# KiCad board CXD-ROUTER-v1.1.0.kicad_pcb (continued)
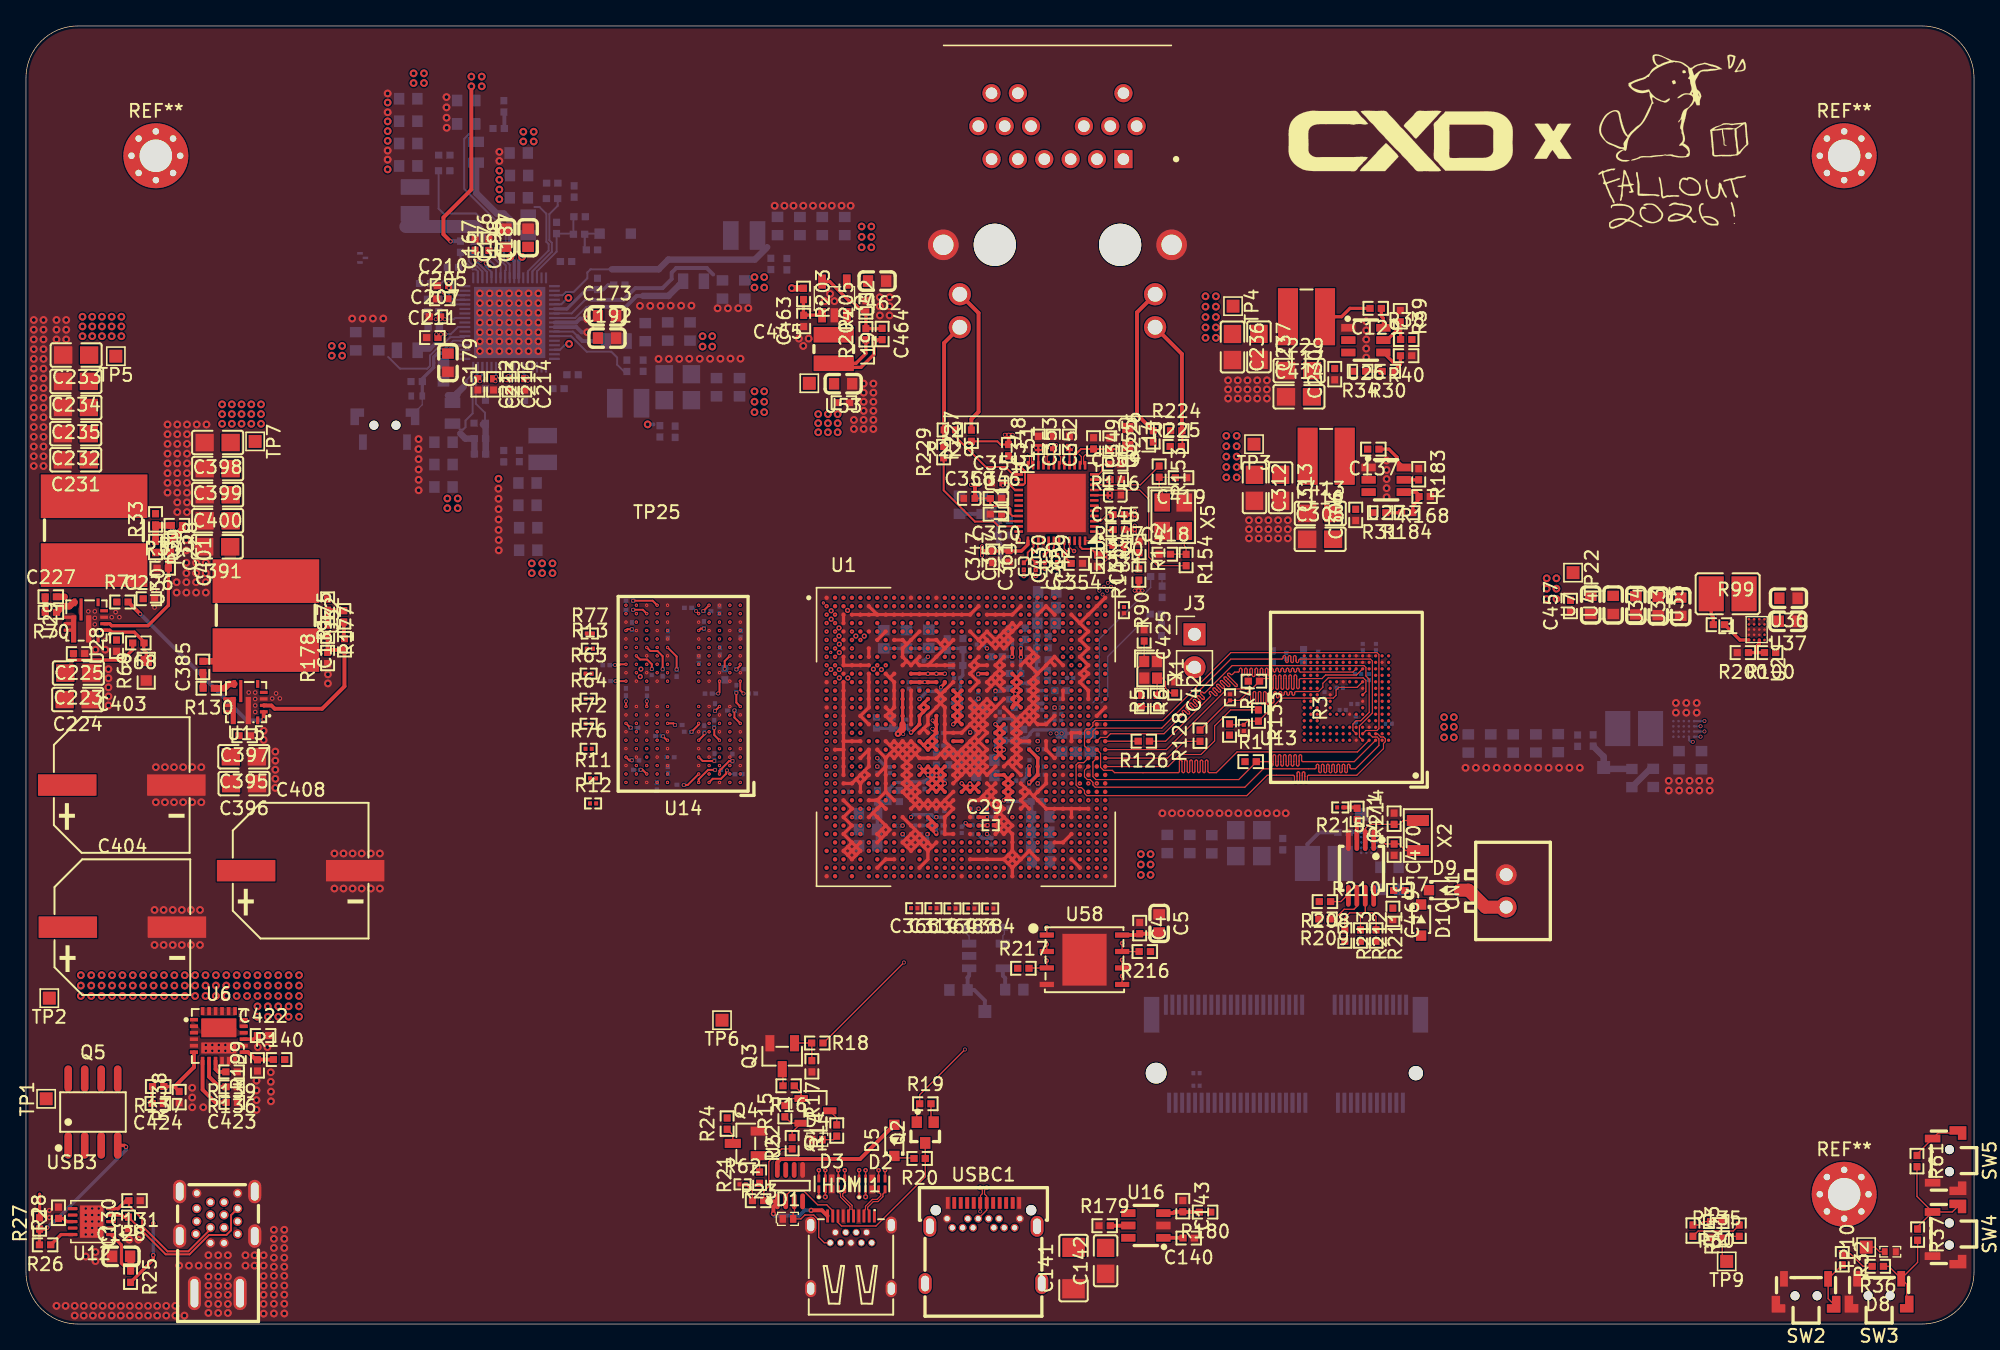
[diagram p0: board, top side]
## Routing (per net, layer and track width the routed paths; a pad name or vN(x,y) marks a point on that pad's centre or on a via; arc(x,y) is an arc through that point) (continued)
DDR_CH0_DQ0_B: length 32
  In1.Cu w0.09: v2(54.2,54.73) v7(53.9,55.03)
  In2.Cu w0.09: v2(61.65,51.4) v11(61.3,51.4)
  In2.Cu w0.131: v11(61.3,51.4) 60.27,51.4 59.09,52.59 arc(59.02,52.62) 58.94,52.59 58.88,52.52 arc(58.8,52.49) 58.73,52.52 arc(58.7,52.6) 58.73,52.67 58.79,52.73 arc(58.82,52.81) 58.79,52.88 arc(58.72,52.91) 58.64,52.88 58.26,52.5 arc(58.19,52.47) 58.11,52.5 arc(58.08,52.58) 58.11,52.65 58.49,53.03 arc(58.52,53.11) 58.49,53.18 arc(58.42,53.21) 58.35,53.18 58,52.83 arc(57.92,52.8) 57.85,52.83 arc(57.82,52.91) 57.85,52.98 58.2,53.33 arc(58.23,53.4) 58.2,53.48 arc(58.12,53.51) 58.05,53.48 58.02,53.45 arc(57.95,53.42) 57.87,53.45 arc(57.84,53.53) 57.87,53.6 57.9,53.63 arc(57.93,53.7) 57.9,53.78 57.89,53.78 arc(57.82,53.81) 57.75,53.78 arc(57.68,53.75) 57.61,53.78 57.6,53.79 arc(57.57,53.86) 57.6,53.93 arc(57.63,54) 57.6,54.07 57.59,54.08 arc(57.52,54.11) 57.45,54.08 arc(57.38,54.05) 57.31,54.08 57.3,54.09 arc(57.27,54.16) 57.3,54.23 arc(57.33,54.3) 57.3,54.37 arc(57.23,54.4) 57.15,54.37 56.95,54.17 arc(56.87,54.14) 56.8,54.17 arc(56.77,54.24) 56.8,54.32 57,54.52 arc(57.04,54.6) 57,54.67 arc(56.93,54.7) 56.86,54.67 56.37,54.18 arc(56.29,54.15) 56.22,54.18 arc(56.19,54.26) 56.22,54.33 56.71,54.82 arc(56.74,54.89) 56.71,54.97 arc(56.63,55) 56.56,54.97 56.28,54.69 arc(56.21,54.66) 56.13,54.69 arc(56.1,54.77) 56.13,54.84 56.41,55.12 arc(56.44,55.19) 56.41,55.27 56.22,55.45 56.07,55.45 arc(55.99,55.48) 55.96,55.56 55.96,55.64 arc(55.93,55.72) 55.86,55.75 arc(55.78,55.72) 55.75,55.64 55.75,54.26 arc(55.72,54.18) 55.65,54.15 arc(55.57,54.18) 55.54,54.26 55.54,55.64 arc(55.51,55.72) 55.44,55.75 arc(55.36,55.72) 55.33,55.64 55.33,54.26 arc(55.3,54.18) 55.23,54.15 arc(55.15,54.18) 55.12,54.26 55.12,55.64 arc(55.09,55.72) 55.02,55.75 arc(54.94,55.72) 54.91,55.64 54.91,54.26 arc(54.88,54.18) 54.8,54.15 arc(54.73,54.18) 54.7,54.26 54.7,55.64 arc(54.67,55.72) 54.59,55.75 arc(54.52,55.72) 54.49,55.64 54.49,54.36 arc(54.46,54.28) 54.38,54.25 arc(54.31,54.28) 54.28,54.36 54.28,55.34 arc(54.25,55.42) 54.17,55.45 53.57,55.45 53.5,55.38 53.5,55.38 53.2,55.08 53.2,54.73 53.3,54.62 53.3,54.23 53.4,54.12 53.45,54.12 53.55,54.23 53.55,54.68 v7(53.9,55.03) 53.9,54.88
DDR_CH0_DQ1_A: length 15.8
  In1.Cu w0.09: v2(62.3,46.2) v7(62.02,45.92)
  In1.Cu w0.1: v2(54.2,43.03) v7(54.52,42.71)
  In2.Cu w0.131: v7(54.52,42.71) 54.52,42.72 54.75,42.95 arc(54.82,42.98) 54.9,42.95 54.91,42.93 arc(54.99,42.9) 55.06,42.93 arc(55.09,43.01) 55.06,43.08 54.71,43.44 arc(54.68,43.51) 54.71,43.59 arc(54.78,43.62) 54.86,43.59 55.05,43.4 arc(55.12,43.37) 55.2,43.4 arc(55.23,43.47) 55.2,43.55 55,43.74 arc(54.97,43.81) 55,43.89 arc(55.08,43.92) 55.15,43.89 55.35,43.69 arc(55.42,43.66) 55.49,43.69 arc(55.53,43.77) 55.49,43.84 55.34,44 arc(55.31,44.08) 55.34,44.15 arc(55.41,44.18) 55.49,44.15 55.64,43.99 arc(55.72,43.96) 55.79,43.99 arc(55.82,44.07) 55.79,44.14 55.64,44.3 arc(55.6,44.37) 55.64,44.45 arc(55.71,44.48) 55.78,44.45 55.94,44.29 arc(56.02,44.26) 56.09,44.29 arc(56.12,44.36) 56.09,44.44 55.93,44.6 arc(55.9,44.67) 55.93,44.75 arc(56.01,44.78) 56.08,44.75 56.24,44.59 arc(56.31,44.56) 56.39,44.59 arc(56.42,44.66) 56.39,44.74 56.23,44.89 arc(56.2,44.97) 56.23,45.04 arc(56.31,45.07) 56.38,45.04 56.54,44.89 arc(56.61,44.86) 56.69,44.89 arc(56.72,44.96) 56.69,45.03 56.53,45.19 arc(56.5,45.27) 56.53,45.34 arc(56.6,45.37) 56.68,45.34 56.83,45.18 arc(56.91,45.15) 56.98,45.18 arc(57.01,45.26) 56.98,45.33 56.79,45.53 arc(56.76,45.6) 56.79,45.67 arc(56.87,45.71) 56.94,45.67 57.13,45.48 arc(57.21,45.45) 57.28,45.48 57.67,45.88 61.97,45.88 v7(62.02,45.92)
DDR_CH0_DQ1_B: length 32.7
  In1.Cu w0.09: v2(54.2,54.08) v7(53.9,54.38) ; v2(62.3,50.75) 62.6,50.45
  In2.Cu w0.131: v7(53.9,54.38) 54.35,53.93 57.17,53.93 57.6,53.49 57.6,52.45 57.8,52.25 58.95,52.25 60.12,51.08 63.08,51.08 63.15,51.15 67.9,51.15 68.1,50.95 68.1,50.6 67.85,50.35 67.73,50.35 arc(67.65,50.32) 67.62,50.24 67.62,45.77 arc(67.59,45.69) 67.52,45.66 arc(67.44,45.69) 67.41,45.77 67.41,50.24 arc(67.38,50.32) 67.31,50.35 66.55,50.35 66.03,50.87 63.07,50.87 v4(62.63,50.42)
DDR_CH0_DQ2_A: length 15.8
  In1.Cu w0.09: v2(61.65,46.2) v8(61.25,46.2)
  In1.Cu w0.1: v2(54.2,44.33) v7(54.52,44.01)
  In2.Cu w0.1: 54.52,44.01 v7(54.52,44.01)
  In2.Cu w0.131: v8(61.25,46.2) 60.95,46.2 arc(60.88,46.23) 60.85,46.31 60.85,46.55 arc(60.82,46.62) 60.74,46.65 arc(60.67,46.62) 60.64,46.55 60.64,46.31 arc(60.61,46.23) 60.53,46.2 arc(60.46,46.23) 60.43,46.31 60.43,46.55 arc(60.39,46.62) 60.32,46.65 arc(60.25,46.62) 60.21,46.55 60.21,46.31 arc(60.18,46.23) 60.11,46.2 arc(60.04,46.23) 60,46.31 60,46.55 arc(59.97,46.62) 59.9,46.65 arc(59.82,46.62) 59.79,46.55 59.79,46.31 arc(59.76,46.23) 59.69,46.2 arc(59.61,46.23) 59.58,46.31 59.58,46.55 arc(59.55,46.62) 59.48,46.65 arc(59.4,46.62) 59.37,46.55 59.37,46.31 arc(59.34,46.23) 59.27,46.2 arc(59.19,46.23) 59.16,46.31 59.16,46.55 arc(59.13,46.62) 59.06,46.65 arc(58.98,46.62) 58.95,46.55 58.95,46.31 arc(58.92,46.23) 58.85,46.2 arc(58.77,46.23) 58.74,46.31 58.74,46.55 arc(58.71,46.62) 58.64,46.65 arc(58.56,46.62) 58.53,46.55 58.53,46.31 arc(58.5,46.23) 58.42,46.2 arc(58.35,46.23) 58.32,46.31 58.32,46.55 arc(58.29,46.62) 58.21,46.65 arc(58.14,46.62) 58.11,46.55 58.11,46.31 arc(58.08,46.23) 58,46.2 arc(57.93,46.23) 57.9,46.31 57.9,46.55 arc(57.87,46.62) 57.79,46.65 arc(57.72,46.62) 57.69,46.55 57.69,46.31 arc(57.66,46.23) 57.58,46.2 56.71,46.2 56.47,45.96 arc(56.44,45.89) 56.47,45.81 56.5,45.78 arc(56.53,45.71) 56.5,45.63 arc(56.43,45.6) 56.35,45.63 56.32,45.66 arc(56.25,45.69) 56.17,45.66 arc(56.14,45.59) 56.17,45.51 56.2,45.49 arc(56.23,45.41) 56.2,45.34 arc(56.13,45.31) 56.05,45.34 56.03,45.36 arc(55.95,45.4) 55.88,45.36 arc(55.85,45.29) 55.88,45.22 55.9,45.19 arc(55.93,45.11) 55.9,45.04 arc(55.83,45.01) 55.76,45.04 55.73,45.07 arc(55.65,45.1) 55.58,45.07 arc(55.55,44.99) 55.58,44.92 55.61,44.89 arc(55.64,44.82) 55.61,44.74 arc(55.53,44.71) 55.46,44.74 55.43,44.77 arc(55.35,44.8) 55.28,44.77 arc(55.25,44.69) 55.28,44.62 55.31,44.59 arc(55.34,44.52) 55.31,44.44 arc(55.23,44.41) 55.16,44.44 55.13,44.47 arc(55.06,44.5) 54.98,44.47 v7(54.52,44.01)
DDR_CH0_DQ2_B: length 32.2
  In1.Cu w0.09: v2(54.2,52.78) v7(53.9,53.08)
  In2.Cu w0.09: v2(61.65,50.75) v11(61.3,50.75)
  In2.Cu w0.131: v7(53.9,53.08) 54.05,52.92 arc(54.13,52.89) 54.2,52.92 54.95,53.67 arc(55.02,53.7) 55.1,53.67 arc(55.13,53.6) 55.1,53.52 53.84,52.27 arc(53.81,52.19) 53.84,52.12 arc(53.92,52.09) 53.99,52.12 55.53,53.65 arc(55.6,53.69) 55.68,53.65 arc(55.71,53.58) 55.68,53.51 54.65,52.48 arc(54.62,52.4) 54.65,52.33 arc(54.72,52.3) 54.8,52.33 56.04,53.57 arc(56.11,53.6) 56.19,53.57 arc(56.22,53.49) 56.19,53.42 54.94,52.18 arc(54.91,52.1) 54.94,52.03 55.02,51.95 55.29,51.95 arc(55.36,51.98) 55.39,52.06 55.39,52.06 arc(55.42,52.13) 55.5,52.17 arc(55.57,52.13) 55.6,52.06 55.6,52.06 arc(55.63,51.98) 55.71,51.95 arc(55.78,51.98) 55.81,52.06 55.81,52.46 arc(55.84,52.53) 55.92,52.57 arc(55.99,52.53) 56.02,52.46 56.02,52.06 arc(56.05,51.98) 56.13,51.95 arc(56.2,51.98) 56.23,52.06 56.23,52.91 arc(56.26,52.98) 56.34,53.02 arc(56.41,52.98) 56.44,52.91 56.44,51.84 arc(56.47,51.77) 56.55,51.73 arc(56.62,51.77) 56.65,51.84 56.65,53.56 arc(56.69,53.63) 56.76,53.67 arc(56.83,53.63) 56.87,53.56 56.87,50.79 arc(56.9,50.72) 56.97,50.68 arc(57.04,50.72) 57.08,50.79 57.08,53.41 arc(57.11,53.48) 57.18,53.52 arc(57.26,53.48) 57.29,53.41 57.29,52.06 arc(57.32,51.98) 57.39,51.95 58.75,51.95 59.95,50.75 v11(61.3,50.75)
DDR_CH0_DQ3_A: length 15.8
  In1.Cu w0.09: v2(62.3,46.85) v7(62.02,46.57)
  In1.Cu w0.1: v2(54.2,44.98) v7(54.5,44.68)
  In2.Cu w0.131: v7(62.02,46.57) 62,46.55 61.6,46.55 61.2,46.95 56.77,46.95 56.75,46.92 arc(56.72,46.85) 56.75,46.77 56.9,46.62 arc(56.93,46.55) 56.9,46.47 arc(56.83,46.44) 56.75,46.47 56.33,46.89 arc(56.26,46.92) 56.18,46.89 arc(56.15,46.82) 56.18,46.74 56.46,46.46 arc(56.49,46.39) 56.46,46.31 arc(56.39,46.28) 56.31,46.31 56.03,46.59 arc(55.96,46.62) 55.88,46.59 arc(55.85,46.52) 55.88,46.44 56.16,46.17 arc(56.19,46.09) 56.16,46.02 arc(56.09,45.99) 56.01,46.02 55.74,46.3 arc(55.66,46.33) 55.59,46.3 arc(55.56,46.22) 55.59,46.15 55.87,45.87 arc(55.9,45.79) 55.87,45.72 arc(55.79,45.69) 55.72,45.72 55.44,46 arc(55.36,46.03) 55.29,46 arc(55.26,45.92) 55.29,45.85 55.57,45.57 arc(55.6,45.5) 55.57,45.42 arc(55.49,45.39) 55.42,45.42 55.14,45.7 arc(55.07,45.73) 54.99,45.7 arc(54.96,45.63) 54.99,45.55 55.25,45.29 arc(55.28,45.22) 55.25,45.15 55.25,45.14 arc(55.18,45.11) 55.11,45.14 54.86,45.39 arc(54.78,45.42) 54.71,45.39 arc(54.68,45.31) 54.71,45.24 54.81,45.14 arc(54.84,45.06) 54.81,44.99 v7(54.5,44.68)
DDR_CH0_DQ3_B: length 32.2
  In1.Cu w0.09: v2(54.2,52.12) v7(54.5,51.83) ; v2(62.3,50.1) 62,50.4
  In2.Cu w0.131: v4(61.97,50.43) 59.73,50.43 arc(59.65,50.46) 59.62,50.53 59.62,50.72 arc(59.59,50.8) 59.52,50.83 arc(59.44,50.8) 59.41,50.72 59.41,50.53 arc(59.38,50.46) 59.31,50.43 arc(59.23,50.46) 59.2,50.53 59.2,51.12 arc(59.17,51.2) 59.1,51.23 arc(59.02,51.2) 58.99,51.12 58.99,50.53 arc(58.96,50.46) 58.88,50.43 arc(58.81,50.46) 58.78,50.53 58.78,51.57 arc(58.75,51.65) 58.67,51.68 arc(58.6,51.65) 58.57,51.57 58.57,50.53 arc(58.54,50.46) 58.46,50.43 arc(58.39,50.46) 58.36,50.53 58.36,51.62 arc(58.33,51.7) 58.25,51.73 arc(58.18,51.7) 58.15,51.62 58.15,50.53 arc(58.12,50.46) 58.04,50.43 arc(57.97,50.46) 57.94,50.53 57.94,51.62 arc(57.91,51.7) 57.83,51.73 arc(57.76,51.7) 57.73,51.62 57.73,50.53 arc(57.7,50.46) 57.62,50.43 arc(57.55,50.46) 57.52,50.53 57.52,51.62 arc(57.49,51.7) 57.41,51.73 arc(57.34,51.7) 57.31,51.62 57.31,50.53 arc(57.27,50.46) 57.2,50.43 56.82,50.43 56.4,50.85 arc(56.33,50.88) 56.29,50.96 56.29,51.54 arc(56.26,51.62) 56.19,51.65 arc(56.11,51.62) 56.08,51.54 56.08,50.46 arc(56.05,50.38) 55.98,50.35 arc(55.9,50.38) 55.87,50.46 55.87,51.59 arc(55.84,51.67) 55.77,51.7 arc(55.69,51.67) 55.66,51.59 55.66,50.46 arc(55.63,50.38) 55.56,50.35 arc(55.48,50.38) 55.45,50.46 55.45,51.59 arc(55.42,51.67) 55.35,51.7 arc(55.27,51.67) 55.24,51.59 55.24,50.46 arc(55.21,50.38) 55.14,50.35 arc(55.06,50.38) 55.03,50.46 55.03,51.64 arc(55,51.72) 54.93,51.75 arc(54.85,51.72) 54.82,51.64 54.82,50.96 arc(54.79,50.88) 54.72,50.85 54.6,50.85 54.5,50.95 54.5,50.98 arc(54.47,51.06) 54.39,51.09 53.86,51.09 arc(53.78,51.12) 53.75,51.19 arc(53.78,51.27) 53.86,51.3 54.39,51.3 arc(54.47,51.33) 54.5,51.4 arc(54.47,51.48) 54.39,51.51 54.11,51.51 arc(54.03,51.54) 54,51.61 arc(54.03,51.69) 54.11,51.72 54.39,51.72 arc(54.47,51.75) v7(54.5,51.83)
DDR_CH0_DQ4_A: length 16.1
  In1.Cu w0.09: v2(61.65,44.25) v8(61.25,44.25)
  In1.Cu w0.1: v7(52.25,44.68) 52.3,44.68 v2(52.6,44.98)
  In2.Cu w0.131: v8(61.25,44.25) 59.62,44.25 56.14,40.77 52.68,40.77 51.54,41.91 51.53,41.91 51.53,43.96 arc(51.6,43.99) 51.67,43.96 arc(51.74,43.93) 51.81,43.96 51.82,43.96 arc(51.85,44.04) 51.82,44.11 51.68,44.25 arc(51.65,44.32) 51.68,44.39 51.69,44.4 arc(51.76,44.43) 51.83,44.4 arc(51.9,44.37) 51.97,44.4 v7(52.25,44.68)
DDR_CH0_DQ4_B: length 32.1
  In1.Cu w0.09: v7(52.2,52.53) v2(52.6,52.12)
  In2.Cu w0.09: v2(61.65,52.7) v11(61.3,52.7)
  In2.Cu w0.131: 52.1,52.43 v7(52.2,52.53) 52.2,51.88 52.05,51.73 51.85,51.73 arc(51.78,51.76) 51.74,51.83 51.74,53.12 arc(51.71,53.19) 51.64,53.23 arc(51.56,53.19) 51.53,53.12 51.53,51.83 arc(51.5,51.76) 51.43,51.73 arc(51.35,51.76) 51.32,51.83 51.32,53.12 arc(51.29,53.19) 51.22,53.23 arc(51.14,53.19) 51.11,53.12 51.11,51.83 arc(51.08,51.76) 51.01,51.73 50.95,51.73 50.85,51.83 50.85,52.11 arc(50.82,52.19) 50.74,52.22 49.66,52.22 arc(49.58,52.25) 49.55,52.32 arc(49.58,52.4) 49.66,52.43 50.74,52.43 arc(50.82,52.46) 50.85,52.53 arc(50.82,52.61) 50.74,52.64 50.11,52.64 arc(50.03,52.67) 50,52.74 arc(50.03,52.82) 50.11,52.85 50.74,52.85 arc(50.82,52.88) 50.85,52.95 arc(50.82,53.03) 50.74,53.06 50.41,53.06 arc(50.33,53.09) 50.3,53.16 arc(50.33,53.24) 50.41,53.27 50.74,53.27 arc(50.82,53.3) 50.85,53.38 50.85,53.4 arc(50.88,53.48) 50.96,53.51 51.24,53.51 arc(51.32,53.54) 51.35,53.61 arc(51.32,53.69) 51.24,53.72 50.41,53.72 arc(50.33,53.75) 50.3,53.82 arc(50.33,53.9) 50.41,53.93 50.74,53.93 arc(50.82,53.96) 50.85,54.03 arc(50.82,54.11) 50.74,54.14 50.71,54.14 arc(50.63,54.17) 50.6,54.24 arc(50.63,54.32) 50.71,54.35 50.74,54.35 arc(50.82,54.38) 50.85,54.45 50.85,54.98 50.9,55.03 50.89,55.01 52.97,57.1 56.6,57.1 61,52.7 v11(61.3,52.7)
DDR_CH0_DQ5_A: length 15.8
  In1.Cu w0.09: v2(62.3,44.9) v7(62.02,44.62)
  In1.Cu w0.1: v7(52.25,44.03) 52.3,44.03 v2(52.6,44.33)
  In2.Cu w0.131: v7(52.25,44.03) 51.9,43.68 51.9,43.53 arc(51.93,43.45) 52.01,43.42 52.31,43.42 arc(52.39,43.39) 52.42,43.31 arc(52.39,43.24) 52.31,43.21 52.01,43.21 arc(51.93,43.18) 51.9,43.1 51.9,42.02 52.83,41.09 55.99,41.09 59.48,44.58 61.98,44.58 v7(62.02,44.62)
DDR_CH0_DQ5_B: length 32.5
  In1.Cu w0.09: v2(62.3,52.05) 62.6,52.35 ; v2(52.6,52.78) 52.25,53.12 v7(52.2,53.12)
  In2.Cu w0.131: v7(52.2,53.12) 51.1,54.23 51.1,54.88 53.08,56.85 56.47,56.85 61,52.32 61.98,52.32 62.31,52.65 63.25,52.65 63.32,52.58 65.1,52.58 arc(65.18,52.62) 65.21,52.69 65.21,53.63 arc(65.24,53.7) 65.31,53.73 arc(65.39,53.7) 65.42,53.63 65.42,52.69 arc(65.45,52.62) 65.53,52.58 arc(65.6,52.62) 65.63,52.69 65.63,53.63 arc(65.66,53.7) 65.74,53.73 arc(65.81,53.7) 65.84,53.63 65.84,52.69 arc(65.87,52.62) 65.95,52.58 arc(66.02,52.62) 66.05,52.69 66.05,53.63 arc(66.08,53.7) 66.16,53.73 arc(66.23,53.7) 66.26,53.63 66.26,52.69 arc(66.29,52.62) 66.37,52.58 66.67,52.58 66.75,52.5 66.75,52.4 66.6,52.25 65.65,52.25 65.5,52.4 62.7,52.4 62.7,52.3 v4(62.63,52.38)
DDR_CH0_DQ6_A: length 15.8
  In1.Cu w0.09: v2(61.65,44.9) v8(61.25,44.9) ; v2(52.6,43.03) 52.33,42.76 v7(52.31,42.76)
  In2.Cu w0.131: v7(52.31,42.76) 52.31,42.11 53,41.42 55.77,41.42 57.68,43.33 arc(57.71,43.4) 57.68,43.48 57.52,43.63 arc(57.49,43.71) 57.52,43.78 arc(57.59,43.81) 57.67,43.78 57.83,43.62 arc(57.9,43.59) 57.97,43.62 arc(58.01,43.7) 57.97,43.77 57.78,43.97 arc(57.75,44.04) 57.78,44.12 arc(57.86,44.15) 57.93,44.12 58.12,43.92 arc(58.2,43.89) 58.27,43.92 arc(58.3,44) 58.27,44.07 58.08,44.26 arc(58.05,44.34) 58.08,44.41 arc(58.15,44.44) 58.23,44.41 58.42,44.22 arc(58.5,44.19) 58.57,44.22 arc(58.6,44.29) 58.57,44.37 58.38,44.56 arc(58.35,44.64) 58.38,44.71 arc(58.45,44.74) 58.53,44.71 58.72,44.52 arc(58.79,44.49) 58.87,44.52 arc(58.9,44.59) 58.87,44.67 58.71,44.82 arc(58.68,44.9) 58.71,44.97 arc(58.79,45) 58.86,44.97 59.02,44.82 arc(59.09,44.79) 59.17,44.82 59.25,44.9 v8(61.25,44.9)
DDR_CH0_DQ6_B: length 31
  In1.Cu w0.09: v12(61.97,51.74) 61.66,52.05 v2(61.65,52.05) ; 52.65,54.08 v2(52.6,54.08) v7(52.9,53.78)
  In2.Cu w0.131: v12(61.97,51.74) 61.97,51.66 62.05,51.58 62.2,51.58 62.28,51.66 62.28,52.04 62.22,52.11 61.4,52.11 arc(61.35,52.09) 61.33,52.03 arc(61.3,51.98) 61.25,51.96 61.19,51.96 arc(61.14,51.98) 61.11,52.03 arc(61.09,52.09) 61.04,52.11 60.98,52.11 arc(60.93,52.09) 60.9,52.03 arc(60.88,51.98) 60.83,51.96 60.77,51.96 arc(60.72,51.98) 60.69,52.03 arc(60.67,52.09) 60.62,52.11 60.52,52.11 60.15,52.48 arc(60.12,52.55) 60.15,52.63 60.17,52.66 arc(60.21,52.73) 60.17,52.8 arc(60.1,52.83) 60.03,52.8 60,52.78 arc(59.92,52.75) 59.85,52.78 arc(59.82,52.85) 59.85,52.92 59.88,52.95 arc(59.91,53.03) 59.88,53.1 arc(59.8,53.13) 59.73,53.1 59.7,53.07 arc(59.63,53.04) 59.55,53.07 arc(59.52,53.15) 59.55,53.22 59.58,53.25 arc(59.61,53.33) 59.58,53.4 arc(59.5,53.43) 59.43,53.4 59.4,53.37 arc(59.33,53.34) 59.25,53.37 arc(59.22,53.45) 59.25,53.52 59.28,53.55 arc(59.31,53.62) 59.28,53.7 arc(59.21,53.73) 59.13,53.7 59.1,53.67 arc(59.03,53.64) 58.96,53.67 arc(58.92,53.74) 58.96,53.82 58.98,53.85 arc(59.01,53.92) 58.98,54 arc(58.91,54.03) 58.83,54 58.81,53.97 arc(58.73,53.94) 58.66,53.97 arc(58.63,54.04) 58.66,54.12 58.69,54.14 arc(58.72,54.22) 58.69,54.29 arc(58.61,54.32) 58.54,54.29 58.51,54.27 arc(58.43,54.23) 58.36,54.27 arc(58.33,54.34) 58.36,54.41 58.39,54.44 arc(58.42,54.52) 58.39,54.59 arc(58.31,54.62) 58.24,54.59 58.21,54.56 arc(58.14,54.53) 58.06,54.56 arc(58.03,54.64) 58.06,54.71 58.09,54.74 arc(58.12,54.81) 58.09,54.89 arc(58.02,54.92) 57.94,54.89 57.91,54.86 arc(57.84,54.83) 57.76,54.86 arc(57.73,54.94) 57.76,55.01 57.79,55.04 arc(57.82,55.11) 57.79,55.19 arc(57.72,55.22) 57.64,55.19 57.62,55.16 arc(57.54,55.13) 57.47,55.16 arc(57.44,55.23) 57.47,55.31 57.49,55.34 arc(57.52,55.41) 57.49,55.48 arc(57.42,55.52) 57.35,55.48 57.32,55.46 arc(57.24,55.43) 57.17,55.46 arc(57.14,55.53) 57.17,55.61 57.2,55.63 arc(57.23,55.71) 57.2,55.78 arc(57.12,55.81) 57.05,55.78 57.02,55.75 arc(56.95,55.72) 56.87,55.75 arc(56.84,55.83) 56.87,55.9 56.9,55.93 arc(56.93,56.01) 56.9,56.08 arc(56.82,56.11) 56.75,56.08 56.72,56.05 arc(56.65,56.02) 56.57,56.05 56.35,56.28 56.11,56.28 arc(56.04,56.31) 56,56.38 56,56.52 arc(55.97,56.59) 55.9,56.62 arc(55.82,56.59) 55.79,56.52 55.79,56.38 arc(55.76,56.31) 55.69,56.28 arc(55.61,56.31) 55.58,56.38 55.58,56.52 arc(55.55,56.59) 55.48,56.62 arc(55.4,56.59) 55.37,56.52 55.37,56.38 arc(55.34,56.31) 55.27,56.28 arc(55.19,56.31) 55.16,56.38 55.16,56.52 arc(55.13,56.59) 55.06,56.62 arc(54.98,56.59) 54.95,56.52 54.95,56.38 arc(54.92,56.31) 54.85,56.28 arc(54.77,56.31) 54.74,56.38 54.74,56.52 arc(54.71,56.59) 54.64,56.62 arc(54.56,56.59) 54.53,56.52 54.53,56.38 arc(54.5,56.31) 54.43,56.28 arc(54.35,56.31) 54.32,56.38 54.32,56.52 arc(54.29,56.59) 54.21,56.62 arc(54.14,56.59) 54.11,56.52 54.11,56.38 arc(54.08,56.31) 54,56.28 53.8,56.28 53.77,56.24 arc(53.69,56.21) 53.62,56.24 53.27,56.59 arc(53.2,56.62) 53.12,56.59 arc(53.09,56.51) 53.12,56.44 53.47,56.09 arc(53.5,56.02) 53.47,55.94 arc(53.4,55.91) 53.32,55.94 52.97,56.29 arc(52.9,56.32) 52.83,56.29 arc(52.79,56.21) 52.83,56.14 53.17,55.79 arc(53.2,55.72) 53.17,55.64 arc(53.1,55.61) 53.02,55.64 52.68,55.99 arc(52.6,56.02) 52.53,55.99 arc(52.5,55.92) 52.53,55.84 52.87,55.5 arc(52.9,55.42) 52.87,55.35 arc(52.8,55.32) 52.73,55.35 52.38,55.69 arc(52.3,55.72) 52.23,55.69 arc(52.2,55.62) 52.23,55.54 52.58,55.2 arc(52.61,55.12) 52.58,55.05 52.45,54.92 arc(52.48,54.85) 52.55,54.82 arc(52.62,54.79) 52.65,54.72 52.65,54.71 arc(52.62,54.64) 52.55,54.61 51.46,54.61 arc(51.38,54.58) 51.35,54.51 arc(51.38,54.43) 51.46,54.4 52.34,54.4 arc(52.42,54.37) 52.45,54.3 arc(52.42,54.22) 52.34,54.19 51.71,54.19 arc(51.63,54.16) 51.6,54.09 arc(51.63,54.01) 51.71,53.98 52.34,53.98 arc(52.42,53.95) 52.45,53.88 52.55,53.78 v7(52.9,53.78)
DDR_CH0_DQ7_A: length 15.8
  In1.Cu w0.09: v2(62.3,45.55) v7(62.02,45.27)
  In1.Cu w0.1: v2(52.6,42.38) v7(52.92,42.06)
  In2.Cu w0.131: v7(52.92,42.06) 53.24,41.73 arc(53.32,41.76) 53.35,41.84 53.35,42.06 arc(53.38,42.13) 53.45,42.16 arc(53.53,42.13) 53.56,42.06 53.56,41.84 arc(53.59,41.76) 53.66,41.73 arc(53.74,41.76) 53.77,41.84 53.77,42.06 arc(53.8,42.13) 53.87,42.16 arc(53.95,42.13) 53.98,42.06 53.98,41.84 arc(54.01,41.76) 54.09,41.73 55.56,41.73 arc(55.59,41.81) 55.56,41.88 55.36,42.09 arc(55.33,42.16) 55.36,42.23 arc(55.43,42.27) 55.51,42.23 55.71,42.03 arc(55.79,42) 55.86,42.03 arc(55.89,42.1) 55.86,42.18 55.66,42.38 arc(55.62,42.46) 55.66,42.53 arc(55.73,42.56) 55.8,42.53 56.01,42.33 arc(56.08,42.3) 56.16,42.33 arc(56.19,42.4) 56.16,42.48 55.95,42.68 arc(55.92,42.76) 55.95,42.83 arc(56.03,42.86) 56.1,42.83 56.31,42.63 arc(56.38,42.59) 56.46,42.63 57.25,43.42 57.25,44.23 58.24,45.23 61.98,45.23 v7(62.02,45.27)
DDR_CH0_DQ7_B: length 32.7
  In1.Cu w0.09: v2(62.3,51.4) 62.6,51.7 ; v2(52.6,54.73) v7(52.9,54.43)
  In2.Cu w0.131: v4(62.63,51.73) 63,52.1 65.5,52.1 65.56,52.04 67.32,52.04 arc(67.39,52.07) 67.43,52.14 67.43,55.56 arc(67.46,55.63) 67.53,55.66 arc(67.61,55.63) 67.64,55.56 67.64,52.14 arc(67.67,52.07) 67.74,52.04 68.06,52.04 68.2,51.9 68.2,51.6 68.05,51.45 65.6,51.45 65.25,51.8 63.35,51.8 62.9,51.35 61.97,51.35 61.6,51.73 60.47,51.73 56.22,55.98 54.4,55.98 54.15,55.73 53.55,55.73 52.9,55.08 v7(52.9,54.43)
DDR_CH0_DQ8_A: length 29.2
  In1.Cu w0.09: v2(62.3,42.3) v7(62.02,42.58)
  In1.Cu w0.1: v2(47,42.38) v7(47.32,42.06)
  In2.Cu w0.131: v7(47.32,42.06) 48.27,41.1 48.27,39.45 49.19,38.53 51.94,38.53 52.42,39.01 52.69,39.01 arc(52.76,38.98) 52.79,38.9 52.79,38.5 arc(52.82,38.42) 52.9,38.39 arc(52.97,38.42) 53,38.5 53,38.9 arc(53.03,38.98) 53.11,39.01 arc(53.18,38.98) 53.21,38.9 53.21,38.5 arc(53.24,38.42) 53.32,38.39 arc(53.39,38.42) 53.42,38.5 53.42,38.9 arc(53.45,38.98) 53.53,39.01 arc(53.6,38.98) 53.63,38.9 53.63,38.5 arc(53.66,38.42) 53.74,38.39 arc(53.81,38.42) 53.84,38.5 53.84,38.9 arc(53.87,38.98) 53.95,39.01 arc(54.02,38.98) 54.05,38.9 54.05,38.5 arc(54.08,38.42) 54.16,38.39 arc(54.23,38.42) 54.26,38.5 54.26,38.9 arc(54.3,38.98) 54.37,39.01 arc(54.44,38.98) 54.48,38.9 54.48,38.5 arc(54.51,38.42) 54.58,38.39 arc(54.65,38.42) 54.69,38.5 54.69,38.9 arc(54.72,38.98) 54.79,39.01 arc(54.87,38.98) 54.9,38.9 54.9,38.5 arc(54.93,38.42) 55,38.39 arc(55.08,38.42) 55.11,38.5 55.11,38.9 arc(55.14,38.98) 55.21,39.01 arc(55.29,38.98) 55.32,38.9 55.32,38.5 arc(55.35,38.42) 55.42,38.39 arc(55.5,38.42) 55.53,38.5 55.53,38.9 arc(55.56,38.98) 55.63,39.01 arc(55.71,38.98) 55.74,38.9 55.74,38.5 arc(55.77,38.42) 55.84,38.39 arc(55.92,38.42) 55.95,38.5 55.95,38.9 arc(55.98,38.98) 56.05,39.01 arc(56.13,38.98) 56.16,38.9 56.16,38.5 arc(56.19,38.42) 56.27,38.39 arc(56.34,38.42) 56.37,38.5 56.37,38.9 arc(56.4,38.98) 56.48,39.01 56.91,39.01 60.52,42.62 61.98,42.62 v7(62.02,42.58)
DDR_CH0_DQ8_B: length 35.2
  In1.Cu w0.09: v2(62.3,54) v4(62,54.3) ; v2(47,54.73) v7(47.3,54.43)
  In2.Cu w0.131: v4(62,54.3) 61.27,54.3 60.95,54.62 arc(60.92,54.7) 60.95,54.77 60.97,54.8 arc(61,54.87) 60.97,54.95 arc(60.9,54.98) 60.82,54.95 60.8,54.92 arc(60.72,54.89) 60.65,54.92 arc(60.62,54.99) 60.65,55.07 60.68,55.1 arc(60.71,55.17) 60.68,55.24 arc(60.6,55.28) 60.53,55.24 60.5,55.22 arc(60.42,55.19) 60.35,55.22 arc(60.32,55.29) 60.35,55.37 60.41,55.43 arc(60.44,55.5) 60.41,55.58 arc(60.34,55.61) 60.26,55.58 60.2,55.51 arc(60.13,55.48) 60.05,55.51 arc(60.02,55.59) 60.05,55.66 60.36,55.97 arc(60.39,56.05) 60.36,56.12 arc(60.29,56.15) 60.21,56.12 59.9,55.81 arc(59.83,55.78) 59.75,55.81 arc(59.72,55.89) 59.75,55.96 60.14,56.34 arc(60.17,56.42) 60.14,56.49 arc(60.06,56.52) 59.99,56.49 59.61,56.11 arc(59.53,56.08) 59.46,56.11 arc(59.43,56.18) 59.46,56.26 59.84,56.64 arc(59.87,56.71) 59.84,56.79 arc(59.76,56.82) 59.69,56.79 59.31,56.41 arc(59.23,56.38) 59.16,56.41 arc(59.13,56.48) 59.16,56.56 59.54,56.94 arc(59.57,57.01) 59.54,57.09 arc(59.47,57.12) 59.39,57.09 59.01,56.71 arc(58.94,56.67) 58.86,56.71 arc(58.83,56.78) 58.86,56.85 59.1,57.09 arc(59.13,57.17) 59.1,57.24 arc(59.03,57.27) 58.95,57.24 58.71,57 arc(58.64,56.97) 58.56,57 57.15,58.41 50.69,58.41 49.5,57.23 49.5,56.65 49.02,56.18 48.6,56.18 48.4,55.98 48.4,55.55 48.36,55.51 arc(48.29,55.48) 48.21,55.51 47.42,56.31 arc(47.34,56.34) 47.27,56.31 arc(47.24,56.23) 47.27,56.16 48.55,54.88 arc(48.58,54.81) 48.55,54.73 arc(48.47,54.7) 48.4,54.73 47.12,56.01 arc(47.05,56.04) 46.97,56.01 arc(46.94,55.93) 46.97,55.86 47.91,54.92 arc(47.94,54.85) 47.91,54.78 47.9,54.77 arc(47.83,54.74) 47.76,54.77 47.05,55.49 arc(46.97,55.52) 46.9,55.49 arc(46.87,55.41) 46.9,55.34 47.47,54.77 arc(47.5,54.69) 47.47,54.62 47.3,54.45 v7(47.3,54.43)
DDR_CH0_DQ9_A: length 29.2
  In1.Cu w0.09: v2(61.65,42.3) v8(61.25,42.3)
  In1.Cu w0.1: v2(47,43.03) v7(46.67,42.7)
  In2.Cu w0.131: v7(46.67,42.7) 46.67,42.44 arc(46.71,42.37) 46.78,42.34 46.87,42.34 arc(46.94,42.31) 46.97,42.23 arc(46.94,42.16) 46.87,42.13 46.43,42.13 arc(46.36,42.1) 46.33,42.02 arc(46.36,41.95) 46.43,41.92 46.92,41.92 arc(46.99,41.89) 47.02,41.81 arc(46.99,41.74) 46.92,41.71 46.43,41.71 arc(46.36,41.68) 46.33,41.6 arc(46.36,41.53) 46.43,41.5 47.52,41.5 arc(47.59,41.46) 47.62,41.39 arc(47.59,41.32) 47.52,41.29 46.43,41.29 arc(46.36,41.25) 46.33,41.18 arc(46.36,41.11) 46.43,41.07 47.92,41.07 arc(47.99,41.04) 48.02,40.97 arc(47.99,40.89) 47.92,40.86 46.78,40.86 arc(46.71,40.83) 46.67,40.76 46.67,40.52 46.76,40.43 arc(46.84,40.4) 46.91,40.43 46.95,40.46 arc(47.02,40.49) 47.1,40.46 arc(47.13,40.39) 47.1,40.31 46.94,40.15 arc(46.91,40.1) 46.94,40.05 46.98,40 arc(47.03,39.98) 47.08,40 47.25,40.16 arc(47.32,40.19) 47.39,40.16 arc(47.43,40.09) 47.39,40.01 47.23,39.85 arc(47.21,39.8) 47.23,39.75 47.28,39.7 arc(47.33,39.68) 47.38,39.7 47.54,39.87 arc(47.62,39.9) 47.69,39.87 arc(47.72,39.79) 47.69,39.72 47.66,39.68 arc(47.63,39.61) 47.66,39.53 49.06,38.13 56.58,38.13 60.75,42.3 v8(61.25,42.3)
DDR_CH0_DQ9_B: length 35.3
  In1.Cu w0.09: v2(47,54.08) v7(46.7,54.38)
  In2.Cu w0.09: v2(61.65,54.65) v11(61.3,54.65)
  In2.Cu w0.131: v11(61.3,54.65) 61.3,54.98 61.21,55.07 61.2,55.07 60.63,55.64 60.63,56.35 59.46,57.51 58.56,57.51 57.35,58.73 50.62,58.73 50.19,58.29 arc(50.11,58.26) 50.04,58.29 49.55,58.77 arc(49.48,58.8) 49.4,58.77 arc(49.37,58.7) 49.4,58.62 49.89,58.14 arc(49.92,58.06) 49.89,57.99 arc(49.82,57.96) 49.74,57.99 49.04,58.69 arc(48.97,58.72) 48.89,58.69 arc(48.86,58.61) 48.89,58.54 49.59,57.84 arc(49.62,57.77) 49.59,57.69 arc(49.52,57.66) 49.44,57.69 48.75,58.39 arc(48.67,58.42) 48.6,58.39 arc(48.57,58.32) 48.6,58.24 49.29,57.54 arc(49.33,57.47) 49.29,57.39 arc(49.22,57.36) 49.15,57.39 48.45,58.09 arc(48.37,58.12) 48.3,58.09 arc(48.27,58.02) 48.3,57.94 49.24,57 arc(49.27,56.93) 49.24,56.85 arc(49.17,56.82) 49.09,56.85 48.15,57.79 arc(48.08,57.83) 48,57.79 arc(47.97,57.72) 48,57.65 49.02,56.63 arc(49.05,56.56) 49.02,56.48 arc(48.94,56.45) 48.87,56.48 47.85,57.5 arc(47.78,57.53) 47.7,57.5 arc(47.67,57.42) 47.7,57.35 48.4,56.65 arc(48.43,56.58) 48.4,56.5 48.37,56.48 48.05,56.48 47.65,56.88 47.35,56.88 46.5,56.03 46.5,54.58 v7(46.7,54.38)
